# KiCad board A0180_eol_ecu_mix.kicad_pcb (continued)
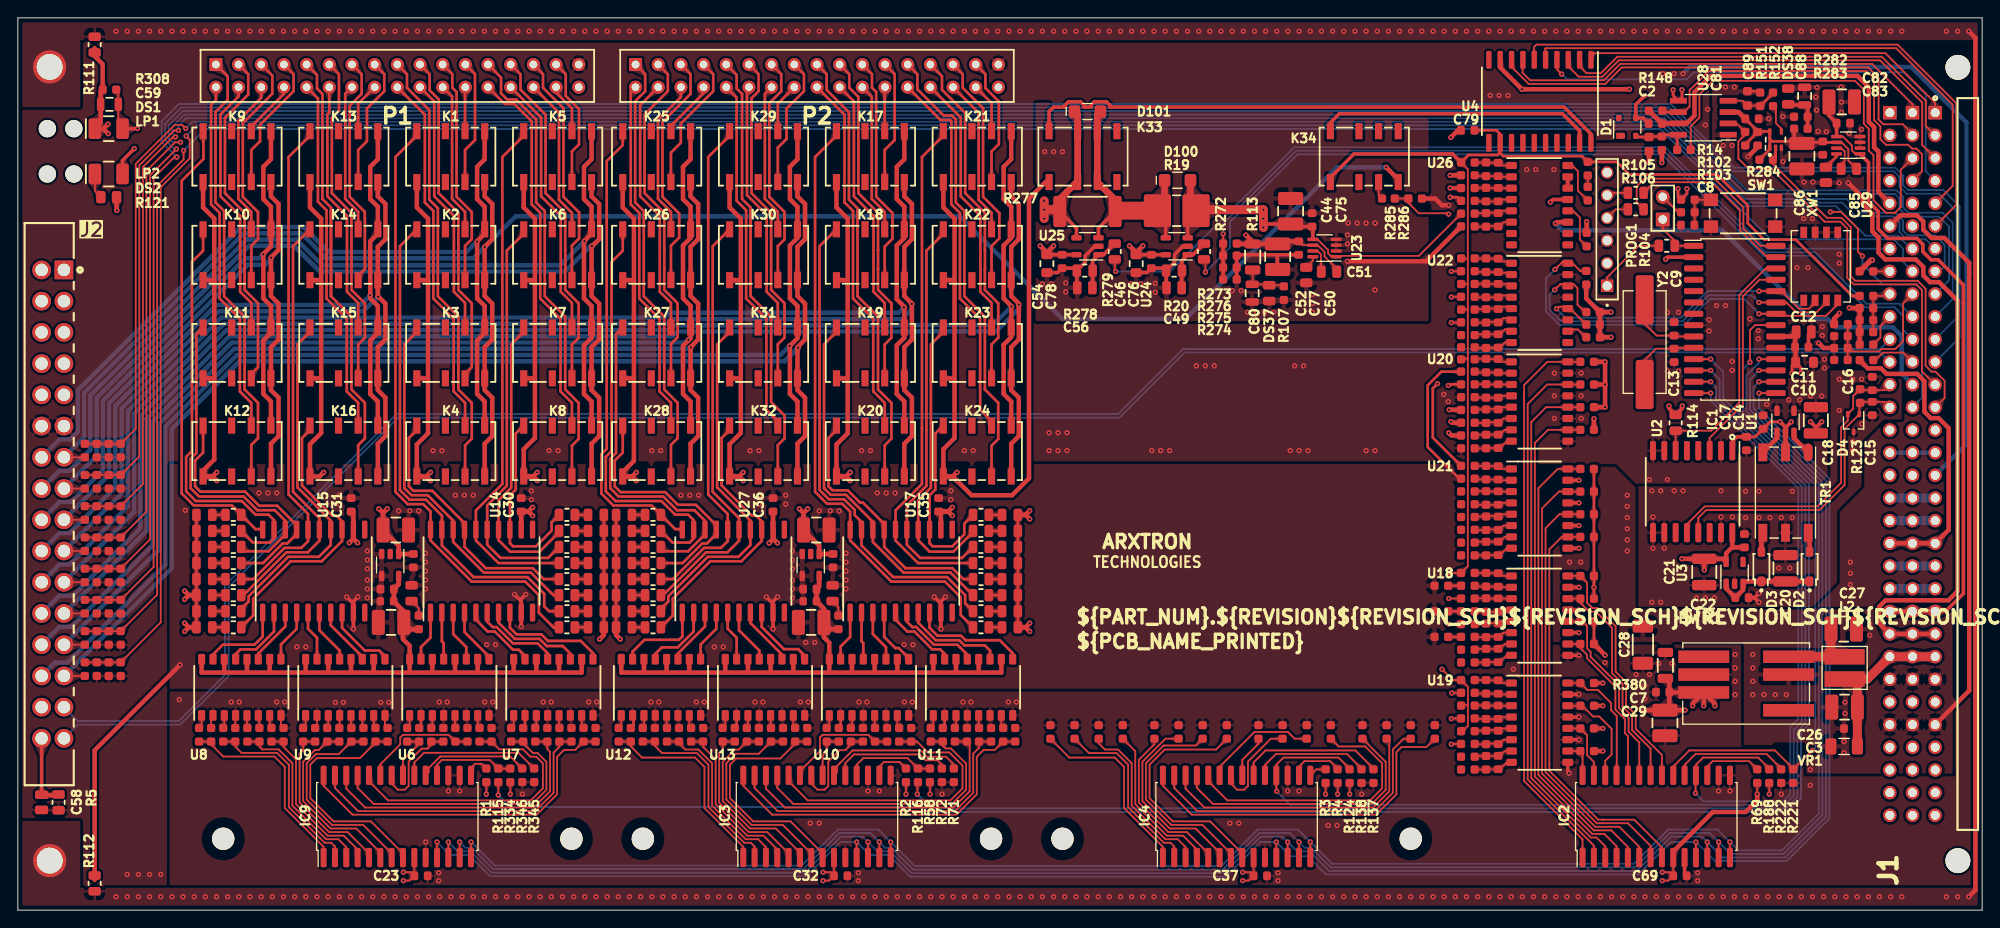
[diagram p0: board, top side]
## Placement (name value [footprint] x y rotation side) (continued)
R174  RC0603JR-072K2L  [RESC1608X65N]  162.4 33.49 0 top
R175  RC0603JR-072K2L  [RESC1608X65N]  162.4 32.06 0 top
R176  RC0603JR-072K2L  [RESC1608X65N]  162.4 30.63 0 top
R177  RC0603JR-072K2L  [RESC1608X65N]  162.4 29.19 0 top
R178  RC0603JR-072K2L  [RESC1608X65N]  162.4 27.76 0 top
R179  RC0603JR-072K2L  [RESC1608X65N]  162.4 25.79 0 top
R180  RC0603JR-072K2L  [RESC1608X65N]  162.4 24.36 0 top
R181  RC0603JR-072K2L  [RESC1608X65N]  162.4 22.92 0 top
R182  RC0603JR-072K2L  [RESC1608X65N]  162.4 21.49 0 top
R183  RC0603JR-072K2L  [RESC1608X65N]  162.4 20.06 0 top
R184  RC0603JR-072K2L  [RESC1608X65N]  162.4 18.63 0 top
R185  RC0603JR-072K2L  [RESC1608X65N]  162.4 17.19 0 top
R186  RC0603JR-072K2L  [RESC1608X65N]  162.4 15.76 0 top
R187  RC0603JR-072K2L  [RESC1608X65N]  164.44 34.19 270 top
R188  RC0603FR-071KL  [RESC1608X65N]  196.15 15.02 270 top
R189  RC0603JR-072K2L  [RESC1608X65N]  164.44 31.36 270 top
R190  RC0603JR-072K2L  [RESC1608X65N]  164.44 28.52 270 top
R191  RC0603JR-072K2L  [RESC1608X65N]  164.44 25.03 270 top
R192  RC0603JR-072K2L  [RESC1608X65N]  164.44 22.19 270 top
R193  RC0603JR-072K2L  [RESC1608X65N]  164.44 19.36 270 top
R194  RC0603JR-072K2L  [RESC1608X65N]  164.44 16.52 270 top
R195  RC0603FR-074K7L  [RESC1608X65N]  175.76 37.45 180 top
R196  RC0603FR-074K7L  [RESC1608X65N]  175.76 25.45 180 top
R197  RC0603FR-074K7L  [RESC1608X65N]  175.76 34.91 180 top
R198  RC0603FR-074K7L  [RESC1608X65N]  175.76 22.91 180 top
R199  RC0603FR-074K7L  [RESC1608X65N]  175.76 32.37 180 top
R200  RC0603FR-074K7L  [RESC1608X65N]  175.76 20.37 180 top
R201  RC0603FR-074K7L  [RESC1608X65N]  175.76 29.83 180 top
R202  RC0603FR-074K7L  [RESC1608X65N]  175.76 17.83 180 top
R203  RC0603JR-072K2L  [RESC1608X65N]  162.4 61.73 0 top
R204  RC0603JR-072K2L  [RESC1608X65N]  162.4 60.36 0 top
R205  RC0603JR-072K2L  [RESC1608X65N]  162.4 58.92 0 top  (not fitted)
R206  RC0603JR-072K2L  [RESC1608X65N]  162.4 57.49 0 top  (not fitted)
R207  RC0603JR-072K2L  [RESC1608X65N]  162.4 56.06 0 top
R208  RC0603JR-072K2L  [RESC1608X65N]  162.4 54.63 0 top
R209  RC0603JR-072K2L  [RESC1608X65N]  162.4 53.19 0 top
R210  RC0603JR-072K2L  [RESC1608X65N]  162.4 51.76 0 top
R211  RC0603FR-07510RL  [RESC1608X65N]  162.4 49.79 0 top
R212  RC0603FR-07510RL  [RESC1608X65N]  162.4 48.36 0 top
R213  RC0603JR-072K2L  [RESC1608X65N]  162.4 46.92 0 top
R214  RC0603JR-072K2L  [RESC1608X65N]  162.4 45.49 0 top
R215  RC0603JR-072K2L  [RESC1608X65N]  162.4 44.06 0 top
R216  RC0603JR-072K2L  [RESC1608X65N]  162.4 42.63 0 top
R217  RC0603JR-072K2L  [RESC1608X65N]  162.4 41.19 0 top
R218  RC0603JR-072K2L  [RESC1608X65N]  162.4 39.76 0 top
R219  RC0603JR-072K2L  [RESC1608X65N]  164.44 61.03 270 top
R220  RC0603JR-072K2L  [RESC1608X65N]  164.44 58.19 270 top
R221  RC0603FR-074K7L  [RESC1608X65N]  198.83 15.02 270 top
R222  RC0603FR-074K7L  [RESC1608X65N]  197.49 15.02 270 top
R223  RC0603JR-072K2L  [RESC1608X65N]  164.44 55.36 270 top
R224  RC0603JR-072K2L  [RESC1608X65N]  164.44 52.52 270 top
R225  RC0603JR-072K2L  [RESC1608X65N]  164.44 49.03 270 top
R226  RC0603JR-072K2L  [RESC1608X65N]  164.44 46.19 270 top
R227  RC0603JR-072K2L  [RESC1608X65N]  164.44 43.36 270 top
R228  RC0603JR-072K2L  [RESC1608X65N]  164.44 40.52 270 top
R229  RC0603FR-074K7L  [RESC1608X65N]  175.76 61.45 180 top
R230  RC0603FR-074K7L  [RESC1608X65N]  175.76 49.45 180 top
R231  RC0603FR-074K7L  [RESC1608X65N]  175.76 58.91 180 top
R232  RC0603FR-074K7L  [RESC1608X65N]  175.76 46.91 180 top
R233  RC0603FR-074K7L  [RESC1608X65N]  175.76 56.37 180 top
R234  RC0603FR-074K7L  [RESC1608X65N]  175.76 44.37 180 top
R235  RC0603FR-074K7L  [RESC1608X65N]  175.76 53.83 180 top
R236  RC0603FR-074K7L  [RESC1608X65N]  175.76 41.83 180 top
R237  RT0603BRD07432KL  [RESC1608X65N]  8.84 44.51 270 top
R238  RT0603BRD07432KL  [RESC1608X65N]  8.84 41.01 270 top
R239  RT0603BRD07432KL  [RESC1608X65N]  7.5 37.51 90 top
R240  RT0603BRD07432KL  [RESC1608X65N]  10.18 37.51 270 top
R241  RT0603BRD07432KL  [RESC1608X65N]  7.5 34.01 90 top
R242  RT0603BRD07432KL  [RESC1608X65N]  11.52 34.01 270 top
R243  RT0603BRD07432KL  [RESC1608X65N]  7.5 30.51 90 top
R244  RT0603BRD07432KL  [RESC1608X65N]  11.52 30.51 270 top
R245  RT0603BRD07432KL  [RESC1608X65N]  7.5 27.01 90 top
R246  RT0603BRD07432KL  [RESC1608X65N]  11.52 27.01 270 top
R247  RT0603BRD07432KL  [RESC1608X65N]  8.84 37.51 270 top
R248  RT0603BRD07432KL  [RESC1608X65N]  10.18 34.01 270 top
R249  RT0603BRD07432KL  [RESC1608X65N]  10.18 30.51 270 top
R250  RT0603BRD07432KL  [RESC1608X65N]  10.18 27.01 270 top
R251  RT0603BRD07432KL  [RESC1608X65N]  11.52 37.51 270 top
R252  RT0603BRD07432KL  [RESC1608X65N]  8.84 34.01 270 top
R253  RC0603JR-072K2L  [RESC1608X65N]  162.4 73.04 0 top
R254  RC0603JR-072K2L  [RESC1608X65N]  162.4 71.61 0 top
R255  RC0603JR-072K2L  [RESC1608X65N]  162.4 70.17 0 top
R256  RC0603JR-072K2L  [RESC1608X65N]  162.4 68.74 0 top
R257  RC0603JR-072K2L  [RESC1608X65N]  162.4 67.31 0 top
R258  RC0603JR-072K2L  [RESC1608X65N]  162.4 65.88 0 top
R259  RC0603JR-072K2L  [RESC1608X65N]  162.4 64.44 0 top
R260  RC0603JR-072K2L  [RESC1608X65N]  162.4 63.07 0 top
R261  RC0603JR-072K2L  [RESC1608X65N]  164.44 72.28 270 top
R262  RC0603JR-072K2L  [RESC1608X65N]  164.44 69.44 270 top
R263  RC0603JR-072K2L  [RESC1608X65N]  164.44 66.61 270 top
R264  RC0603JR-072K2L  [RESC1608X65N]  164.44 63.77 270 top
R265  RC0603FR-074K7L  [RESC1608X65N]  175.66 70.87 90 top
R266  RC0603FR-074K7L  [RESC1608X65N]  176.43 67.02 180 top
R267  RC0603FR-074K7L  [RESC1608X65N]  176.43 65.62 180 top
R268  RC0603FR-074K7L  [RESC1608X65N]  176.43 64.2 180 top
R269  RC0603JR-070RL  [RESC1608X65N]  159.43 36.36 180 top  (not fitted)
R270  RC0603JR-070RL  [RESC1608X65N]  159.43 33.49 180 top
R271  RC0603JR-070RL  [RESC1608X65N]  159.43 30.63 180 top
R272  RC0805FR-075K1L  [RESC2012X65N]  132.85 73.81 270 top
R273  RT0603BRD07432KL  [RESC1608X65N]  135.75 74.7 180 top
R274  RT0603BRD07432KL  [RESC1608X65N]  135.75 70.68 180 top
R275  RT0603BRD07432KL  [RESC1608X65N]  135.75 72.02 180 top
R276  RT0603BRD07432KL  [RESC1608X65N]  135.75 73.36 180 top
R277  CRCW251210R0FKEG  [RESC6331X50]  119.79 78.3 180 top
R278  RC0805FR-0720KL  [RESC2012X65N]  119.49 71.67 180 top  (not fitted)
R279  RC0805FR-075K1L  [RESC2012X65N]  122.85 73.81 270 top
R280  RT0603BRD07432KL  [RESC1608X65N]  8.84 30.51 270 top
R281  RT0603BRD07432KL  [RESC1608X65N]  8.84 27.01 270 top
R282  RC0603JR-072K2L  [RESC1608X65N]  199.7 88.91 0 top
R283  RC0603FR-07510RL  [RESC1608X65N]  199.7 87.57 180 top
R284  RC0603JR-072K2L  [RESC1608X65N]  195.81 84.09 180 top
R285  SR0603JR-0720KL  [RESC1608X65N#2]  153.5 79.75 180 top
R286  RC0603JR-0710KL  [RESC1608X65N]  156.5 79.75 180 top
R308  RC0603JR-072K2L  [RESC1608X65N]  10.26 91.95 180 top
R328  RC0603FR-074K7L  [RESC1608X65N]  44.95 19.65 90 top
R329  RC0603FR-074K7L  [RESC1608X65N]  47.65 19.65 90 top
R330  RC0603FR-074K7L  [RESC1608X65N]  50.35 19.65 90 top
R331  RC0603FR-074K7L  [RESC1608X65N]  53.06 19.65 90 top
R332  RC0603FR-074K7L  [RESC1608X65N]  56.6 19.66 90 top
R333  RC0603FR-074K7L  [RESC1608X65N]  59.3 19.66 90 top
R334  RC0603FR-071KL  [RESC1608X65N]  55.15 15.11 270 top
R335  RC0603FR-074K7L  [RESC1608X65N]  62 19.66 90 top
R336  RC0603FR-074K7L  [RESC1608X65N]  64.7 19.66 90 top
R337  RC0603FR-074K7L  [RESC1608X65N]  21.65 19.65 90 top
R338  RC0603FR-074K7L  [RESC1608X65N]  24.35 19.65 90 top
R339  RC0603FR-074K7L  [RESC1608X65N]  27.05 19.65 90 top
R340  RC0603FR-074K7L  [RESC1608X65N]  29.76 19.65 90 top
R341  RC0603FR-074K7L  [RESC1608X65N]  33.3 19.65 90 top
R342  RC0603FR-074K7L  [RESC1608X65N]  36 19.65 90 top
R343  RC0603FR-074K7L  [RESC1608X65N]  38.7 19.65 90 top
R344  RC0603FR-074K7L  [RESC1608X65N]  41.41 19.65 90 top
R345  RC0603FR-074K7L  [RESC1608X65N]  57.83 15.11 270 top
R346  RC0603FR-074K7L  [RESC1608X65N]  56.49 15.11 270 top
R380  RC1206FR-071KL  [RESC3116X65N]  184.52 27.43 90 top
SW1  TL3305AF260QG  [ESWITCH_TL3305AF260QG]  193.22 78.1 0 top
TABLE1  -  [4_LAYER_STACKUP]  249 -11 0 top
TABLE2  -  [ARXTRON_NAME]  126.5 40.25 0 top
TABLE3  -  [FABRICATION_NOTES]  249 109 0 top
TABLE4  -  [ASSEMBLY_NOTES]  0 -10 0 top
TABLE5  -  [PART_NUM]  124.72 32.85 0 top
TABLE6  -  [SHORT_NAME]  124.72 30.1 0 top
TR1  760390015  [WURTH_760390015]  197.97 46.8 270 top
U1  SN6501DBVR  [SOT95P280X145-5N]  197.97 54.73 90 top
U2  ISO1050DWR  [SOIC127P1030X265-16]  187.57 46.9 270 top
U3  TPS76350DBVR  [SOT95P280X145-5N]  192.28 37.8 90 top
U4  ULN2803CDWR  [SOIC127P1030X265-20]  170.47 90.65 270 top
U5  TPS7B6950QDBVRQ1  [SOT95P280X145-5N]  41.7 38.68 270 top
U6  TLP290-4(TPE  [SOIC127P700X220-16]  48.33 24.97 90 top
U7  TLP290-4(TPE  [SOIC127P700X220-16]  59.97 24.97 90 top
U8  TLP290-4(TPE  [SOIC127P700X220-16]  25.03 24.97 90 top
U9  TLP290-4(TPE  [SOIC127P700X220-16]  36.68 24.97 90 top
U10  TLP290-4(TPE  [SOIC127P700X220-16]  95.33 24.97 90 top
U11  TLP290-4(TPE  [SOIC127P700X220-16]  106.97 24.97 90 top
U12  TLP290-4(TPE  [SOIC127P700X220-16]  72.03 24.97 90 top
U13  TLP290-4(TPE  [SOIC127P700X220-16]  83.68 24.97 90 top
U14  ULN2803CDWR  [SOIC127P1030X265-20]  51.93 38 90 top
U15  ULN2803CDWR  [SOIC127P1030X265-20]  33.13 38 90 top
U16  TPS7B6950QDBVRQ1  [SOT95P280X145-5N]  88.8 38.68 270 top
U17  ULN2803CDWR  [SOIC127P1030X265-20]  98.94 38 90 top
U18  TLP290-4(TPE  [SOIC127P700X220-16]  170.44 33 0 top
U19  TLP290-4(TPE  [SOIC127P700X220-16]  170.44 21 0 top
U20  TLP290-4(TPE  [SOIC127P700X220-16]  170.44 57 0 top
U21  TLP290-4(TPE  [SOIC127P700X220-16]  170.44 45 0 top
U22  TLP290-4(TPE  [SOIC127P700X220-16]  170.44 68.05 0 top
U23  LT3060ETS8-5#TRMPBF  [SOT65P280X100-8]  146.35 74.2 180 top
U24  INA180A2IDBVR  [SOT95P280X145-5N]  129.79 74.4 180 top
U25  INA180A2IDBVR  [SOT95P280X145-5N]  119.79 74.4 180 top
U26  TLP290-4(TPE  [SOIC127P700X220-16]  170.44 79 0 top
U27  ULN2803CDWR  [SOIC127P1030X265-20]  80.13 38 90 top
U28  ACSL-6210-00RE  [SOIC8P127_508X599X330L65X40]  188.77 88.81 180 top
U29  LT3060ETS8-5#TRMPBF  [SOT65P280X100-8]  205.01 85.72 180 top
U30  NLVVHC1G126DFT1G  [SOT65P210X110-5]  196.87 86.36 90 top
VR1  B72520E0250K062  [VARC3216X170N]  204.54 18.35 180 top
XW1  CHS-04TB  [COPAL_CHS-04TB]  201.93 72.15 270 top
Y2  ECS-80-20-5PX-TR  [XTAL1140X470X430]  182.2 63.66 270 top

## Library data of the parts
C1 C89 = -: Description: CAP CER 10000PF 25V C0G/NP0 0603; Manufacturer: KEMET; Nominal: 10000pF; Supplier: Digi-Key; SupplierDevicePackage: C0603; SupplierPartNumber: 399-8985-2-ND; Tolerance: ±1%; Type: C0G; Voltage: 25V
C2-C8 C11 C14 C17 C19 C22-C25 C30-C43 C45 C47 C48 C53 C55 C57 C61 C63 C66 C68 C69 C71-C79 C81 C83 C87 C90 = -: Description: CAP CER 0.1UF 50V X7R 0603; Manufacturer: AVX Corporation; Nominal: 0.1uF; Supplier: Digi-Key; SupplierDevicePackage: C0603; SupplierPartNumber: 478-3540-1-ND; Tolerance: ±10%; Type: X7R; Voltage: 50V
C9 C13 C15 C16 = -: Description: CAP CER 22PF 50V C0G/NP0 0805; Manufacturer: AVX Corporation; Nominal: 22pF; Supplier: Digi-Key; SupplierPartNumber: 478-1308-2-ND
C10 = -: Description: CAP CER 1UF 50V X7R 0805; Manufacturer: AVX Corporation; Nominal: 1uF; SupllierPartNumber: 478-7956-1-ND; Supplier: Digi-Key; SupplierDevicePackage: C0805; SupplierPartNumber: 478-7956-1-ND; Tolerance: 10%; Type: X7R; Voltage: 50V
C12 = -: Description: CAP CER 100PF 50V X7R 0805; Manufacturer: KEMET; Nominal: 100 pF; SupllierPartNumber: 399-7981-1-ND; Supplier: Digi-Key; SupplierDevicePackage: C0805; SupplierPartNumber: 399-7981-1-ND; Tolerance: 10%; Type: X7R; Voltage: 50V
C18 C20 C21 = -: Description: CAP CER 10UF 25V X7R 1210; Manufacturer: AVX Corporation; Nominal: 10µF; SupllierPartNumber: 478-5728-1-ND; Supplier: Digi-Key; SupplierDevicePackage: C1210; SupplierPartNumber: 478-5728-1-ND; Tolerance: 10%; Type: X7R; Voltage: 25V
C26 C27 C29 = -: Description: CAP CER 10UF 50V X7R 1210; Manufacturer: Samsung Electro-Mechanics America Inc.; ManufacturerPartNumber: CL32B106KBJNNNE; Nominal: 10uF; SupllierPartNumber: 1276-3387-1-ND; Supplier: Digi-Key; SupplierDevicePackage: C1210; SupplierPartNumber: 1276-3387-1-ND; Tolerance: 20%; Type: X7R; Voltage: 50V
C28 = -: Description: CAP CER 470PF 3KV X7R 1808; Manufacturer: AVX Corporation; Nominal: 470pF; SupllierPartNumber: 478-7476-1-ND; Supplier: Digi-Key; SupplierDevicePackage: C4520; SupplierPartNumber: 478-7476-1-ND; Tolerance: 10%; Type: X7R; Voltage: 3KV
C44 C52 C60 C62 C65 C67 C82 C86 = -: Description: CAP CER 10UF 50V X7R 1210; Manufacturer: Samsung Electro-Mechanics America Inc.; ManufacturerPartNumber: CL32B106KBJNNNE; Nominal: 10uF; Supplier: Digi-Key; SupplierDevicePackage: C1210; SupplierPartNumber: 1276-3387-1-ND; Tolerance: 20%; Type: X7R; Voltage: 50V
C46 C54 = -: Description: CAP CER 1UF 50V X7R 0805; Manufacturer: AVX Corporation; Nominal: 1uF; Supplier: Digi-Key; SupplierDevicePackage: C0805; SupplierPartNumber: 478-7956-1-ND; Tolerance: 10%; Type: X7R; Voltage: 50V
C49 C56 C58 = -: Description: CAP CER 100PF 50V X7R 0805; Manufacturer: KEMET; Nominal: 100 pF; Supplier: Digi-Key; SupplierDevicePackage: C0805; SupplierPartNumber: 399-7981-1-ND; Tolerance: 10%; Type: X7R; Voltage: 50V
C50 C51 C84 C85 = -: Description: CAP CER 10000PF 50V C0G/NP0 0805; Manufacturer: Murata Electronics; Nominal: 10000pF; Supplier: Digi-Key; SupplierDevicePackage: C0805; SupplierPartNumber: 490-8295-2-ND; Tolerance: 1%; Type: C0G; Voltage: 50V
C59 C80 C88 = -: Description: CAP CER 0.022UF 50V NP0 0805; Manufacturer: TDK Corporation; Nominal: 0.022 uF; Supplier: Digi-Key; SupplierPartNumber: 445-12628-2-ND
C64 C70 = -: Description: CAP CER 1000PF 50V C0G/NP0 0603; Manufacturer: Murata Electronics; Nominal: 1000pF; Supplier: Digi-Key; SupplierDevicePackage: C0603; SupplierPartNumber: 490-6376-2-ND; Tolerance: ±1%; Type: C0G; Voltage: 50V
D1 = -: Description: DIODE ARRAY GP 75V 215MA SOT143B; Manufacturer: Nexperia USA Inc.; Supplier: Digi-Key; SupplierDevicePackage: SOT-143B; SupplierPartNumber: 1727-6375-2-ND
D2 D3 = -: Description: DIODE SCHOTTKY 20V 500MA SOD123; Manufacturer: ON Semiconductor; SupllierPartNumber: MBR0520LCT-ND; Supplier: Digi-Key; SupplierDevicePackage: SOD-123; SupplierPartNumber: SBR80520LT1GOSTR-ND
D4 = -: Description: TVS DIODE 36V 61V SOT323-3; Manufacturer: STMicroelectronics; SupllierPartNumber: 497-17303-1-ND; Supplier: Digi-Key; SupplierDevicePackage: SOT23; SupplierPartNumber: 497-17303-1-ND; fit_field: DNP
D100 D101 = -: Description: DIODE SCHOTTKY 30V 2A SOD123L; Manufacturer: STMicroelectronics; Supplier: Digi-Key; SupplierDevicePackage: SOD-123L; SupplierPartNumber: 497-17158-1-ND
DS1 DS2 = -: Description: LED GREEN CLEAR 2PLCC SMD 2MA; Manufacturer: Dialight; Size: 2-PLCC; Supplier: Digi-Key
DS3-DS38 = -: Description: LED GREEN 571 NM CLEAR SMD 2V 0805 (2012); Manufacturer: Lite-On Inc; Size: D0805; Supplier: Digi-Key; SupplierPartNumber: 160-1426-1-ND; Voltage: 2V
FP1 = -: Description: FRONT PANEL 4U EURORACK EXTRACTION HANDLE PCB BRACKET; Manufacturer: Schroff; ManufacturerPartNumber: FP_4U
IC1 = -: Datasheet: http://ww1.microchip.com/downloads/en/DeviceDoc/40001943A.pdf; Description: IC MCU 8BIT 64KB FLASH 28SOIC; Manufacturer: Microchip Technology; ManufacturerPartNumber: PIC18F26K83-I/SO; SupllierPartNumber: PIC18F26K83-I/SO-ND; Supplier: Digi-Key; SupplierDevicePackage: 28-SOIC (0.295mil 7.50mm Width); SupplierPartNumber: PIC18F26K83-I/SO-ND
IC2-IC4 IC9 = -: Description: IC I/O EXPANDER SPI 16B 28SOIC; Manufacturer: Microchip Technology; ManufacturerPartNumber: MCP23S17-E/SO; SupllierPartNumber: MCP23S17-E/SO-ND; Supplier: Digi-Key; SupplierDevicePackage: 28-SOIC (0.295" 7.50mm Width); SupplierPartNumber: MCP23S17-E/SO-ND
J1 = -: Description: CONN DIN PLUG 96POS PCB RA GOLD; Manufacturer: TE Connectivity AMP Connectors; Supplier: Digi-Key; SupplierPartNumber: A113960-ND
J2 = -: Description: TERM BLOCK HDR 32POS 90DEG 3.5MM; Manufacturer: Phoenix Contact; SupplierPartNumber: 277-8749-ND; Supplier: Digi-Key; SupplierDevicePackage: Through Hole
JP1 = -: Description: CONN HEADER VERT 2POS 2.54MM; Manufacturer: Wurth Electronics Inc.; SupllierPartNumber: 732-5315-ND; Supplier: Digi-Key; SupplierPartNumber: 732-5315-ND
K1-K33 = -: Description: RELAY TELECOM DPDT 1A 24VDC; Manufacturer: Omron Electronics Inc-EMC Div; ManufacturerPartNumber: G6K-2G-Y-TR DC24; Supplier: Digi-Key; SupplierPartNumber: Z5422TR-ND
K34 = -: Description: RELAY TELECOM DPDT 1A 24VDC; ManufacturerPartNumber: G6K-2G-Y-TR DC24; Manufacturer: Omron Electronics Inc-EMC Div; SupplierPartNumber: Z5422TR-ND; Supplier: Digi-Key
L2 = -: Description: FIXED IND 15UH 850MA 235MOHM SMD; Manufacturer: Traco Power; SupllierPartNumber: 1951-1047-ND; Supplier: Digi-Key; SupplierDevicePackage: 0.177" L x 0.157" W (4.50mm x 4.00mm); SupplierPartNumber: 1951-1047-ND
LP1 LP2 = -: Description: 5MM PANEL MOUNT RIGHT ANGLE CONV 7.37 mm; Manufacturer: Dialight
MH1-MH6 = -: Description: MOUNTING HOLE NON-PLATED 2.5 MM DIA. HOLE KEEPOUT 4.8 MM DIA.; Manufacturer: Arxtron; ManufacturerPartNumber: NA; Supplier: Arxtron; SupplierPartNumber: NA
P1 P2 = -: Description: CONN SOCKET 34POS 0.1 GOLD PCB LOW PROFILE; Manufacturer: Samtec Inc.; ManufacturerPartNumber: SLW-117-01-L-D; Supplier: Samtec Inc.; SupplierPartNumber: SLW-117-01-L-D
PROG1 = -: Description: CONN HDR 6POS 0.1 GOLD PCB; Manufacturer: Samtec Inc.; SupllierPartNumber: SAM1225-06-ND; Supplier: Samtec Inc.; SupplierDevicePackage: Through Hole
PWR1 = -: Description: DC DC CONVERTER 3.3V 2.3W; Manufacturer: Traco Power; ManufacturerPartNumber: TDN 3-2410WISM; SupllierPartNumber: TDN3-2410WISM-ND; Supplier: Digi-Key; SupplierDevicePackage: 7-SMD Module 6 Leads; SupplierPartNumber: TDN3-2410WISM-ND
R1-R4 R53-R57 R59-R72 R102 R117-R120 R122 R125-R131 R133-R138 R195-R202 R221 R222 R229-R236 R265-R268 R328-R333 R335-R346 = -: Description: RES SMD 4.7K OHM 1% 1/10W 0603; Manufacturer: Yageo; Nominal: 4.7K; Power: 1/10W; SupllierPartNumber: 311-4.7KARCT-ND; Supplier: Digi-Key; SupplierDevicePackage: R0603; SupplierPartNumber: 311-4.70KHRTR-ND; Tolerance: 5%
R5 = -: Description: RES SMD 1M OHM 5% 1/8W 0805; Manufacturer: Yageo; Nominal: 1M; Power: 1/8W; Supplier: Digi-Key; SupplierDevicePackage: R0805; SupplierPartNumber: 311-1.0MARCT-ND
R6 R107 R141 R146-R148 R150 R156 R171-R186 R203-R210 R213-R218 R253-R260 R282 R284 R308 = -: Description: RES SMD 2.2K OHM 5% 1/10W 0603; Manufacturer: Yageo; Nominal: 2.2k; Power: 1/10W; Supplier: Digi-Key; SupplierDevicePackage: R0603; SupplierPartNumber: 311-2.2KGRCT-ND; Tolerance: 5%
R7-R10 R15-R18 R157-R170 R237-R252 R273-R276 R280 R281 = -: Description: RES SMD 432K OHM 0.1% 1/10W 0603; Manufacturer: Yageo; Nominal: 432K; Supplier: Digi-Key; SupplierPartNumber: RT0603BRD07432KL-ND
R11-R13 R115 R116 R269-R271 = -: Description: RES SMD 0 OHM JUMPER 1/10W 0603; Manufacturer: Yageo; Nominal: 0; Power: 1/10W; Supplier: Digi-Key; SupplierDevicePackage: R0603; SupplierPartNumber: 311-0.0GRCT-ND
R14 R21-R36 R73-R88 R152 R283 = -: Description: RES SMD 510 OHM 1% 1/10W 0603; Manufacturer: Yageo; Nominal: 510; Power: 1/10W; Supplier: Digi-Key; SupplierDevicePackage: R0603; SupplierPartNumber: 311-510HRCT-ND
R19 = -: Description: RES 0.1 OHM 1% 1W 2512; Manufacturer: Vishay Dale; Nominal: 0.1; Power: 1W; Supplier: Digi-Key; SupplierDevicePackage: R2512; SupplierPartNumber: WSLG-.10CT-ND; Tolerance: 1%
R20 R278 = -: Description: RES SMD 20K OHM 1% 1/8W 0805; Manufacturer: Yageo; Nominal: 20k; Power: 1/8W; Supplier: Digi-Key; SupplierDevicePackage: R0805; SupplierPartNumber: 311-20.0KCRCT-ND; Tolerance: 1%
R37-R52 R89-R101 R108-R110 = -: Description: RES SMD 5.1K OHM 1% 1/8W 0805; Manufacturer: Yageo; Nominal: 5.1k; Power: 1/8W; Supplier: Digi-Key; SupplierDevicePackage: R0805; SupplierPartNumber: 3311-5.10KCRCT-ND; Tolerance: 1%; fit_field: DNP
R58 R103 R124 R188 R334 = -: Description: RES SMD 1K OHM 1% 1/10W 0603; Manufacturer: Yageo; Nominal: 1K; Power: 1/10W; SupllierPartNumber: 311-1.00KCRCT-ND; Supplier: Digi-Key; SupplierDevicePackage: R0603; SupplierPartNumber: 311-1.00KHRTR-ND; Tolerance: 1%
R104 = -: Description: RES SMD 100 OHM 1% 1/8W 0805; Manufacturer: Yageo; Nominal: 100; Power: 1/8W; SupllierPartNumber: 311-100CRCT-ND; Supplier: Digi-Key; SupplierDevicePackage: R0805; SupplierPartNumber: 311-100CRCT-ND; Tolerance: 1%
R105 R106 = -: Description: RES SMD 10 OHM 1% 1/8W 0805; Manufacturer: Yageo; Nominal: 10; Power: 1/8W; SupllierPartNumber: 311-10.0CRCT-ND; Supplier: Digi-Key; SupplierDevicePackage: R0805; SupplierPartNumber: 311-10.0CRCT-ND; Tolerance: 1%
R111 R112 = -: Description: RES SMD 1M OHM 5% 1/8W 0805; Manufacturer: Yageo; Nominal: 1M; Power: 1/8W; SupllierPartNumber: 311-1.0MARCT-ND; Supplier: Digi-Key; SupplierDevicePackage: R0805; SupplierPartNumber: 311-1.0MARCT-ND
R113 R380 = -: Description: RES SMD 1K OHM 1% 1/4W 1206; Manufacturer: Yageo; Nominal: 1k; Power: 1/4W; Supplier: Digi-Key; SupplierDevicePackage: R1206; SupplierPartNumber: 311-1.00KFRCT-ND
R114 = -: Description: RES SMD 2K OHM 1% 1/8W 0805; Manufacturer: Yageo; Nominal: 2k; Power: 1/8W; SupllierPartNumber: 311-2.00KCRCT-ND; Supplier: Digi-Key; SupplierDevicePackage: R0805; SupplierPartNumber: 311-2.00KCRCT-ND; Tolerance: 1%
R121 = -: Description: RES 680 OHM 5% 1/8W 0805; Manufacturer: Stackpole Electronics Inc.; Nominal: 680; Power: 1/8W; SupllierPartNumber: RMCF0805JT680RCT-ND; Supplier: Digi-Key; SupplierDevicePackage: R0805; SupplierPartNumber: RMCF0805JT680RCT-ND
R123 = -: Description: RES SMD 1K OHM 1% 1/10W 0603; Manufacturer: Yageo; Nominal: 1K; Power: 1/10W; SupllierPartNumber: 311-1.00KCRCT-ND; Supplier: Digi-Key; SupplierDevicePackage: R0603; SupplierPartNumber: 311-1.00KHRTR-ND; Tolerance: 1%; fit_field: DNP
R132 R144 R145 R149 R151 R155 R187 R189-R194 R219 R220 R223-R228 R261-R264 = -: Description: RES SMD 2.2K OHM 5% 1/10W 0603; Manufacturer: Yageo; Nominal: 2.2k; Power: 1/10W; SupllierPartNumber: 311-2.2KERCT-ND; Supplier: Digi-Key; SupplierDevicePackage: R0603; SupplierPartNumber: 311-2.2KGRCT-ND; Tolerance: 5%
R139 R140 = -: Description: RES SMD 510 OHM 1% 1/10W 0603; Manufacturer: Yageo; Nominal: 510; Supplier: Digi-Key; SupplierPartNumber: 311-510HRCT-ND; Power: 1/10W; SupplierDevicePackage: R0603
R142 R143 = -: Description: RES SMD 220 OHM 1% 1/10W 0603; Manufacturer: Yageo; Nominal: 220; Power: 1/10W; Supplier: Digi-Key; SupplierDevicePackage: R0603; SupplierPartNumber: 311-220HRTR-ND; Tolerance: 5%
R153 R154 = -: Description: RES SMD 6.49K OHM 1% 1/10W 0603; Manufacturer: Yageo; Nominal: 6.49K; Power: 1/10W; Supplier: Digi-Key; SupplierDevicePackage: R0603; SupplierPartNumber: 311-6.49KHRCT-ND; Tolerance: 5%
R211 R212 = -: Description: RES SMD 510 OHM 1% 1/10W 0603; Manufacturer: Yageo; Nominal: 510; Power: 1/10W; Supplier: Digi-Key; SupplierDevicePackage: R0603; SupplierPartNumber: 311-510HRCT-ND; Tolerance: 5%
R272 R279 = -: Description: RES SMD 5.1K OHM 1% 1/8W 0805; Manufacturer: Yageo; Nominal: 5.1k; Power: 1/8W; Supplier: Digi-Key; SupplierDevicePackage: R0805; SupplierPartNumber: 3311-5.10KCRCT-ND; Tolerance: 1%
R277 = -: Description: RES SMD 10 OHM 1% 1W 2512; Manufacturer: Vishay Dale; Nominal: 10; Power: 1W; Supplier: Digi-Key; SupplierDevicePackage: R2512; SupplierPartNumber: 541-10.0AFTR-ND; Tolerance: 1%
R285 = -: Description: RES SMD 20K OHM 5% 1/10W 0603; Supplier: Digi-Key; SupplierPartNumber: SR0603JR-0720KL-ND; Power: 0.1W; Size: R0603; Tolerance: 5%; Nominal: 20k; Manufacturer: Yageo
R286 = -: Description: RES SMD 10K OHM 5% 1/10W 0603; Power: 1/10W; Nominal: 10k; Tolerance: 5%; Supplier: Digi-Key; SupplierDevicePackage: R0603; SupplierPartNumber: 311-10KGRCT-ND; Manufacturer: Yageo
SW1 = -: Description: SWITCH TACTILE SPST-NO 50MA 12V; Manufacturer: E-Switch; Supplier: Digi-Key; SupplierPartNumber: EG5353TR-ND
TABLE1 = -: Description: 4 LAYER STACKUP
TABLE2 = -: Description: ARXTRON LABEL
TABLE3 = -: Description: FABRICATION NOTES; ManufacturerPartNumber: NA; Manufacturer: Arxtron Technologies; SupplierPartNumber: NA; Supplier: Arxtron Technologies
TABLE4 = -: Description: ASSEMBLY NOTES; ManufacturerPartNumber: NA; Manufacturer: Arxtron Technologies; SupplierPartNumber: NA; Supplier: Arxtron Technologies
TABLE5 = -: Description: PART NUMBER; ManufacturerPartNumber: A0180; Manufacturer: ARXTRON TECHNOLOGIES
TABLE6 = -: Description: PCB SHORT NAME
TR1 = -: Description: Forward Push-Pull Converters For For DC/DC Converters SMPS Transformer 3125Vrms Isolation 10kHz Surface Mount; Manufacturer: Wurth Electronics Inc.; Supplier: Digi-Key; SupplierDevicePackage: 0.265" L x 0.281" W (6.73mm x 7.14mm); SupplierPartNumber: 732-4459-1-ND
U1 = -: Description: IC REG CONV PWR SUPPLIES SOT23-5; Manufacturer: Texas Instruments; SupllierPartNumber: 296-37700-1-ND; Supplier: Digi-Key; SupplierDevicePackage: SOT-23-5; SupplierPartNumber: 296-37700-1-ND
U2 = -: Description: IC TXRX ISOLATED CAN 5V 16SOIC; Manufacturer: Texas Instruments; SupllierPartNumber: 296-41267-1-ND; Supplier: Digi-Key; SupplierDevicePackage: 16-SOIC (0.295mil 7.50mm Width); SupplierPartNumber: 296-41267-1-ND
U3 = -: Description: IC REG LINEAR 5V 150MA SOT23-5; Manufacturer: Texas Instruments; SupllierPartNumber: 296-11023-1-ND; Supplier: Digi-Key; SupplierDevicePackage: SOT-23-5; SupplierPartNumber: 296-11023-1-ND
U4 U14 U15 U17 U27 = -: Description: 50-V EIGHT-CHANNEL DARLINGTON A; SupplierDevicePackage: 20-SOIC (7.5W); SupplierPartNumber: 296-ULN2803CDWRTR-ND; Supplier: Digi-Key; Manufacturer: Texas Instruments
U5 U16 = -: Description: IC REG LINEAR 5V 150MA SOT23-5; Manufacturer: Texas Instruments; Supplier: Digi-Key; SupplierDevicePackage: SOT-23-5; SupplierPartNumber: 296-42411-2-ND
U6-U13 U18-U22 U26 = -: Description: OPTOISOLTR 2.5KV 4CH TRANS 16-SO; Manufacturer: Toshiba Semiconductor and Storage; Supplier: Digi-Key; SupplierPartNumber: TLP290-4(TPECT-ND
U23 U29 = -: Description: IC REG LINEAR 5V 100MA TSOT23-8; Manufacturer: Analog Devices Inc.; Supplier: Digi-Key; SupplierDevicePackage: TSOT-23-8; SupplierPartNumber: LT3060ETS8-5#TRMPBFTR-ND
U24 U25 = -: Description: IC CURR SENSE 1 CIRCUIT SOT23-5; Manufacturer: Texas Instruments; Supplier: Digi-Key; SupplierPartNumber: 296-47653-2-ND
U28 = -: Description: OPTOISO 2.5KV 2CH OPEN COLL 8SO; Manufacturer: Broadcom Limited; Supplier: Digi-Key; SupplierDevicePackage: 8-SOIC; SupplierPartNumber: 516-1602-5-ND
U30 = -: Description: IC BUFFER INVERT 5.5V SOT23-5; Manufacturer: onsemi; Supplier: Digi-Key; SupplierDevicePackage: 5-TSSOP; SupplierPartNumber: NLVVHC1G126DFT1GOSTR-ND
VR1 = -: Description: VARISTOR 39V 200A 1206; Manufacturer: Epcos; SupllierPartNumber: 495-7459-1-ND; Supplier: Digi-Key; SupplierDevicePackage: R1206; SupplierPartNumber: 495-7459-1-ND; Voltage: 31V
XW1 = -: Description: SWITCH SLIDE 4 POS DIP SPST 100MA 6V; Manufacturer: Copal Electronics Inc.; Supplier: Digi-Key; SupplierDevicePackage: Surface Mount; SupplierPartNumber: 563-1008-1-ND
Y2 = -: Description: CRYSTAL 8.0000MHZ 20PF SMD; Frequency: 8MHz; Manufacturer: ECS Inc.; SupllierPartNumber: XC2076CT-ND; Supplier: Digi-Key; SupplierDevicePackage: HC-49/US; SupplierPartNumber: XC2076CT-ND; Tolerance: ±50ppm

## Footprints (pads in the part's own frame, mm; a bottom-side part is the same pattern mirrored in y, then rotated)
CAPC1608X55N
  rrect 0.84x0.93 smd: 1(-0.745,0) 2(0.745,0)
CAPC1608X90N
  rrect 0.87x0.98 smd: 1(-0.75,0) 2(0.75,0)
CAPC1608X92
  rrect 0.95x1 smd: 1(-0.8,0) 2(0.8,0)
CAPC2012X94
  rrect 1x1.25 smd: 1(-1,0) 2(1,0)
CAPC2012X120N
  rrect 0.96x1.47 smd: 1(-0.85,0) 2(0.85,0)
CAPC2012X135N
  rrect 1x1.38 smd: 1(-0.865,0) 2(0.865,0)
CAPC2012X145N
  rrect 0.84x1.47 smd: 1(-0.99,0) 2(0.99,0)
CAPC3225X94N
  rrect 1.16x2.72 smd: 1(-1.475,0) 2(1.475,0)
CAPC3225X280N
  rrect 1.45x2.81 smd: 1(-1.43,0) 2(1.43,0)
CAPC4520X102N
  rrect 1.46x2.29 smd: 1(-2.085,0) 2(2.085,0)
COPAL_CHS-04TB
  rect 1.27x0.76 smd: A1(-3.81,1.905) A2(-3.81,0.635) A3(-3.81,-0.635) A4(-3.81,-1.905) B1(3.81,1.905) B2(3.81,0.635) B3(3.81,-0.635) B4(3.81,-1.905)
DIALIGHT_5151049F
  round 1.93 hole 1.93 unplated: (8.636,0) (11.608,0)
ESWITCH_TL3305AF260QG
  rect 1.6x1.4 smd: 1(-3.6,-1.5) 2(3.6,-1.5) 3(-3.6,1.5) 4(3.6,1.5)
FP_4U_PCB_BRACKET
  round 3.7 hole 2.9: M1(-0.01,88.95) M2(0,0)
LEDC2012X120N
  rrect 0.96x1.38 smd: 1(-0.885,0) 2(0.885,0)
LEDM3527X190
  rrect 1.412x2.312 smd: 1(-1.55,0) 2(1.55,0)
MTGNPH250Z345K480
  round 2.5 hole 2.5 unplated: (0,0)
OMRON_G6K-2G-Y
  rect 0.8x1.8 smd: 1(-3.8,-2.85) 2(-0.6,-2.85) 3(1.6,-2.85) 4(3.8,-2.85) 5(3.8,2.85) 6(1.6,2.85) 7(-0.6,2.85) 8(-3.8,2.85)
PHOENIX_1787153
  rect 2.1x2.1 hole 1.4: 1(-26.25,4.7)
  round 2.1 hole 1.4: 2(-26.25,2.2) 3(-22.75,4.7) 4(-22.75,2.2) 5(-19.25,4.7) 6(-19.25,2.2) 7(-15.75,4.7) 8(-15.75,2.2) 9(-12.25,4.7) 10(-12.25,2.2) 11(-8.75,4.7) 12(-8.75,2.2) 13(-5.25,4.7) 14(-5.25,2.2) 15(-1.75,4.7) 16(-1.75,2.2) 17(1.75,4.7) 18(1.75,2.2) 19(5.25,4.7) 20(5.25,2.2) 21(8.75,4.7) 22(8.75,2.2) 23(12.25,4.7) 24(12.25,2.2) 25(15.75,4.7) 26(15.75,2.2) 27(19.25,4.7) 28(19.25,2.2) 29(22.75,4.7) 30(22.75,2.2) 31(26.25,4.7) 32(26.25,2.2)
